# Altium PCB 0020-03_FFT2G.PcbDoc (part 5 of 16)
Units mm, origin at the board's own origin, x right, y up, seen from the top; angles counter-clockwise.
Board outline 195 x 104.5 mm, 12 copper layers (Top Layer, GND1, LVDS1, PWR1, LVDS2, PWR2, LVDS3, PWR3, SIG1, SIG2, GND2, Bottom Layer), stack 1.422 mm thick; 721 components, 650 nets, 4014 pads, 3497 vias.
Unrouted connection lines stored in the file: 78.
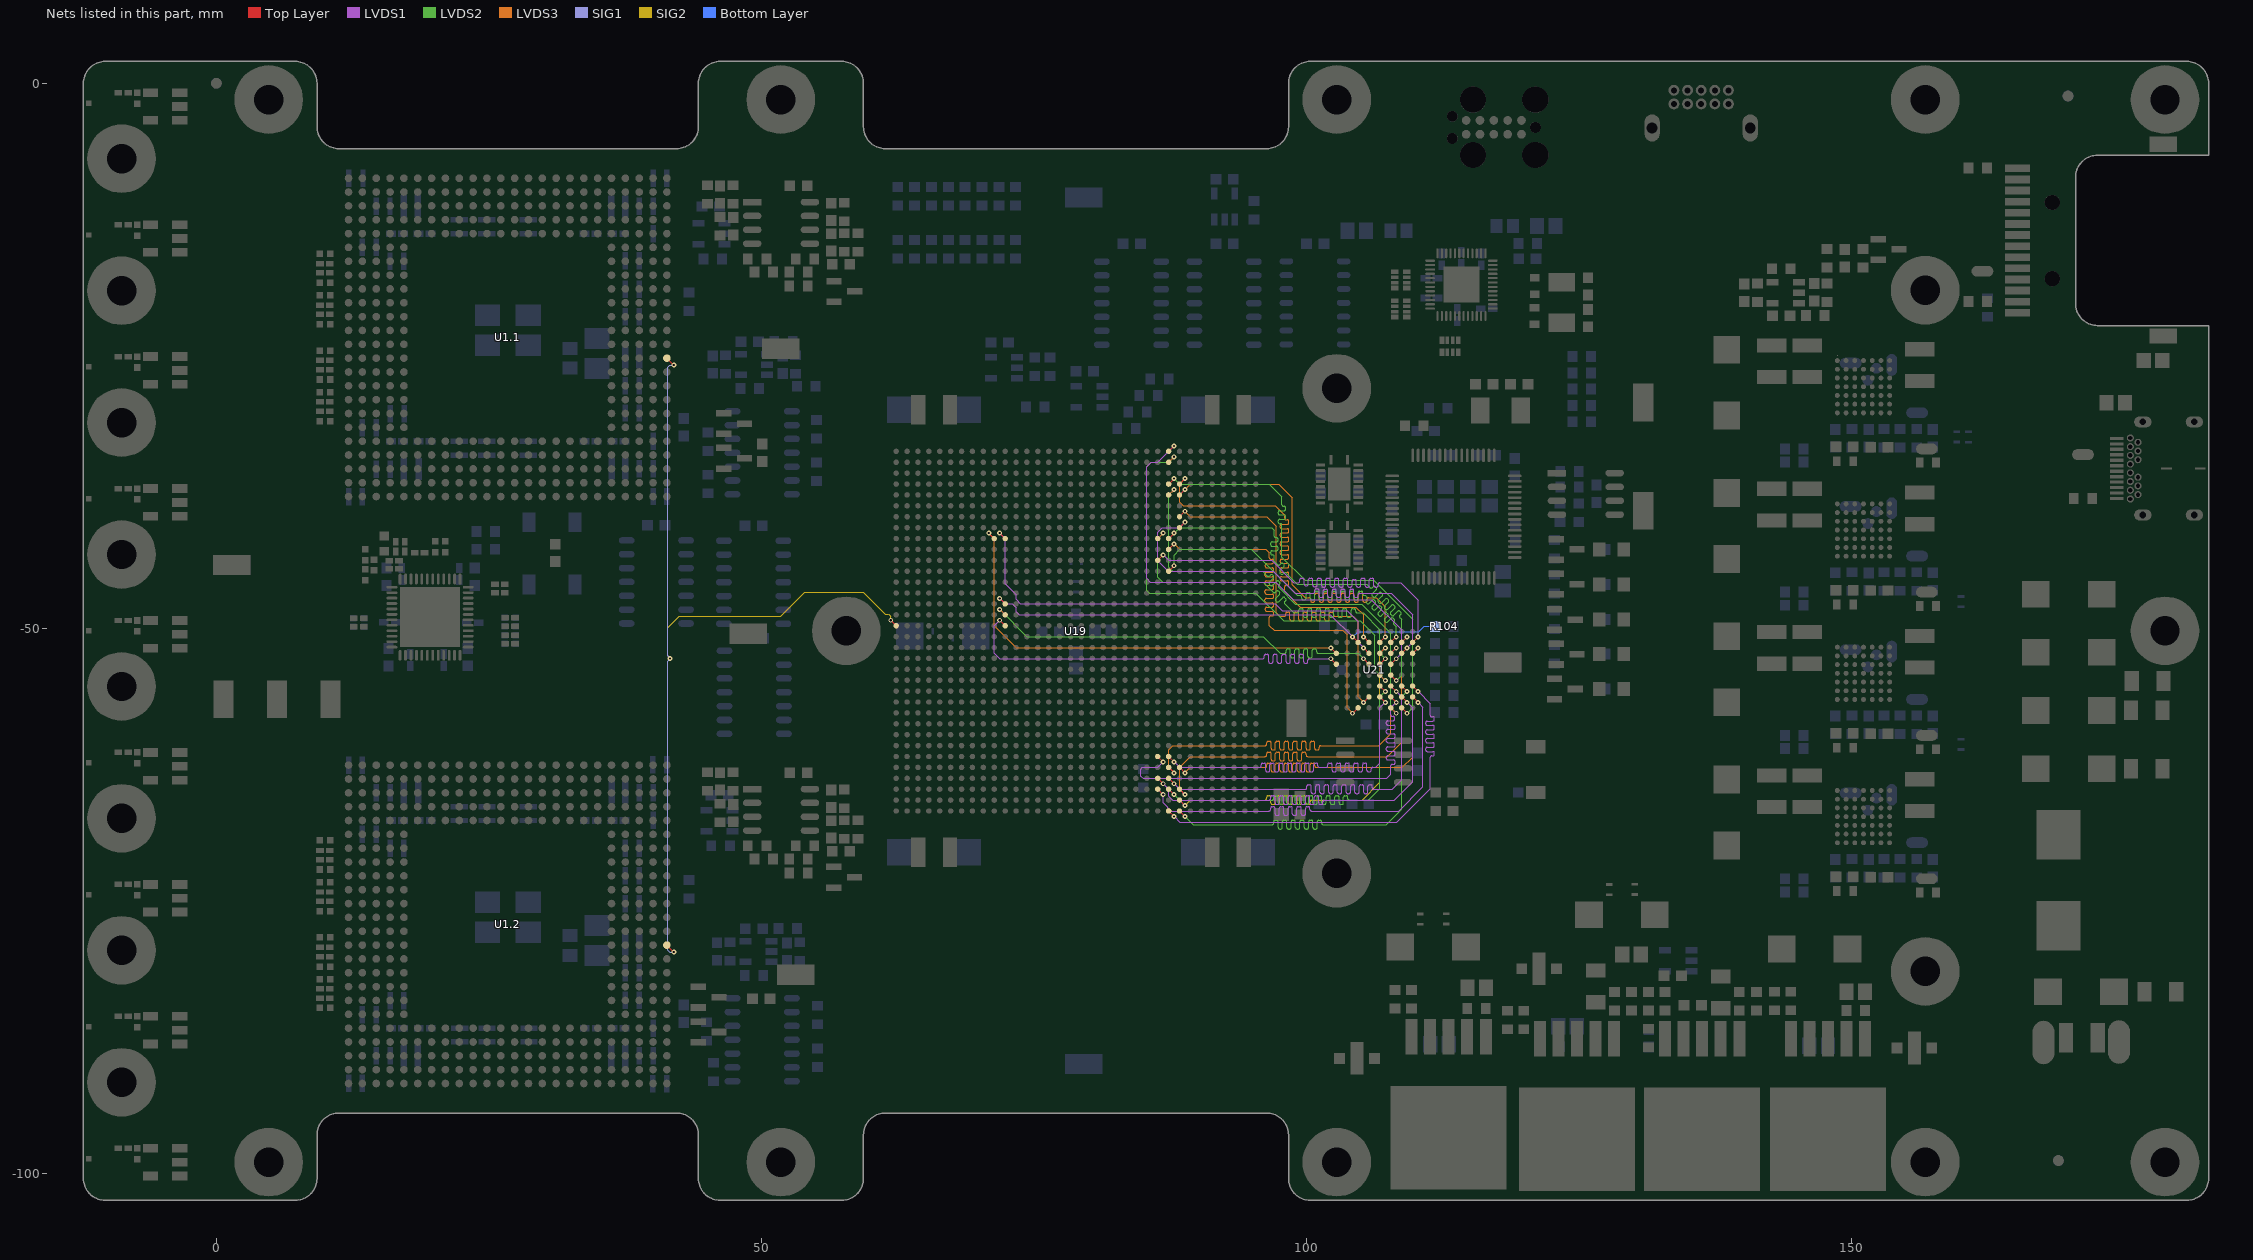
[diagram p15: the nets of this part, all layers, seen from the top]

## Via types
v1: diameter 0.45, hole 0.2, Top Layer to Bottom Layer, tented both sides, 3249 vias
v2: diameter 1, hole 0.5, Top Layer to Bottom Layer, tented both sides, 192 vias
v3: diameter 0.5, hole 0.2, Top Layer to Bottom Layer, tented both sides, 34 vias
v4: diameter 0.6, hole 0.3, Top Layer to Bottom Layer, tented both sides, 12 vias
v5: diameter 0.6, hole 0.2, Top Layer to Bottom Layer, tented both sides, 6 vias
v6: diameter 0.45/0.45/0.45/0.45/0.45/0.45/0.45 (per signal layer), hole 0.2, Top Layer to Bottom Layer, tented both sides, 4 vias

## Nets (pads, with @x,y where several pads share a name; then routed paths per layer and width w, separated by ;. In a path a pad name is that pad's centre, name@x,y a point inside that pad or via, vN(x,y) a via of type N, cw(c..) or ccw(c..) an arc to the next point about the centre after c; other vN are vias at no path point) (continued)
ADC_SYNC_P: U1.1.AD11 U1.2.AD11 U19.V34 | length 83.2
  Top Layer w0.1: U1.2.AD11@41.338,-79.083 v1(41.973,-79.718) ; U1.1.AD11@41.338,-25.227 v1(41.973,-25.862) ; v1(61.875,-49.28) U19.V34@62.375,-49.78
  SIG1 w0.1: v1(41.613,-52.79) 41.613,-52.848 41.438,-53.023 41.438,-79.538 41.618,-79.718 v1(41.973,-79.718) ; v1@41.613,-52.731 41.438,-52.556 41.438,-26.041 41.618,-25.862 v1(41.973,-25.862)
  SIG2 w0.1: v1(41.613,-52.79) 41.613,-52.731 41.438,-52.556 41.438,-49.948 42.486,-48.9 51.77,-48.9 53.97,-46.7 59.35,-46.7 61.371,-48.721 61.634,-48.721 ; 61.677,-48.722 61.875,-48.92 v1(61.875,-49.28)
BPI_A0: U19.AL8 U21.E2 | length 41.2
  Top Layer w0.1: U19.AL8@88.375,-36.78 v1(88.875,-36.28) ; v1(105.26,-50.812) U21.E2@105.76,-51.312
  LVDS3 w0.1: v1(88.875,-36.28) 88.375,-36.78 88.375,-38.437 88.718,-38.78 97.151,-38.78 98.01,-39.639 98.01,-39.863 98.01,-39.923 ccw(c98.15,-39.923) 98.15,-40.063 98.27,-40.063 cw(c98.27,-40.203) 98.41,-40.203 98.41,-40.323 cw(c98.27,-40.323) 98.27,-40.463 98.01,-40.463 97.75,-40.463 ccw(c97.75,-40.603) 97.61,-40.603 97.61,-40.723 ccw(c97.75,-40.723) 97.75,-40.863 98.01,-40.863 98.27,-40.863 cw(c98.27,-41.003) 98.41,-41.003 98.41,-41.123 cw(c98.27,-41.123) 98.27,-41.263 98.01,-41.263 97.75,-41.263 ccw(c97.75,-41.403) 97.61,-41.403 97.61,-41.523 ccw(c97.75,-41.523) 97.75,-41.663 98.01,-41.663 98.27,-41.663 cw(c98.27,-41.803) 98.41,-41.803 98.41,-41.923 cw(c98.27,-41.923) 98.27,-42.063 98.01,-42.063 97.75,-42.063 ccw(c97.75,-42.203) 97.61,-42.203 97.61,-42.323 ccw(c97.75,-42.323) 97.75,-42.463 98.01,-42.463 98.27,-42.463 cw(c98.27,-42.603) 98.41,-42.603 98.41,-42.723 cw(c98.27,-42.723) 98.27,-42.863 98.01,-42.863 97.75,-42.863 ccw(c97.75,-43.003) 97.61,-43.003 97.61,-43.123 ccw(c97.75,-43.123) 97.75,-43.263 98.01,-43.263 98.27,-43.263 cw(c98.27,-43.403) 98.41,-43.403 98.41,-43.523 cw(c98.27,-43.523) 98.27,-43.663 98.01,-43.663 97.75,-43.663 ccw(c97.75,-43.803) 97.61,-43.803 97.61,-43.923 ccw(c97.75,-43.923) 97.75,-44.063 98.01,-44.063 98.27,-44.063 cw(c98.27,-44.203) 98.41,-44.203 98.41,-44.323 cw(c98.27,-44.323) 98.27,-44.463 98.01,-44.463 97.75,-44.463 ccw(c97.75,-44.603) 97.61,-44.603 97.61,-44.723 ccw(c97.75,-44.723) 97.75,-44.863 98.01,-44.863 98.27,-44.863 cw(c98.27,-45.003) 98.41,-45.003 98.41,-45.123 cw(c98.27,-45.123) 98.27,-45.263 98.01,-45.263 97.75,-45.263 ccw(c97.75,-45.403) 97.61,-45.403 97.61,-45.523 ccw(c97.75,-45.523) 97.75,-45.663 98.01,-45.663 98.27,-45.663 cw(c98.27,-45.803) 98.41,-45.803 98.41,-45.923 cw(c98.27,-45.923) 98.27,-46.063 98.15,-46.063 ccw(c98.15,-46.203) 98.01,-46.203 98.01,-46.366 98.01,-46.624 99.454,-48.068 104.564,-48.068 105.26,-48.764 v1(105.26,-50.812)
BPI_A1: U19.AK8 U21.D2 | length 40.8
  Top Layer w0.1: U19.AK8@88.375,-37.78 v1(88.875,-37.28) ; U21.D2@106.76,-51.312 v1(107.26,-50.812)
  LVDS3 w0.1: v1(88.875,-37.28) 89.375,-36.78 97.46,-36.78 98.722,-38.042 98.722,-46.025 99.901,-47.204 100.195,-47.204 100.255,-47.204 cw(c100.255,-47.344) 100.395,-47.344 100.395,-47.464 ccw(c100.535,-47.464) 100.535,-47.604 100.655,-47.604 ccw(c100.655,-47.464) 100.795,-47.464 100.795,-47.204 100.795,-46.944 cw(c100.935,-46.944) 100.935,-46.804 101.055,-46.804 cw(c101.055,-46.944) 101.195,-46.944 101.195,-47.204 101.195,-47.464 ccw(c101.335,-47.464) 101.335,-47.604 101.455,-47.604 ccw(c101.455,-47.464) 101.595,-47.464 101.595,-47.204 101.595,-46.944 cw(c101.735,-46.944) 101.735,-46.804 101.855,-46.804 cw(c101.855,-46.944) 101.995,-46.944 101.995,-47.204 101.995,-47.464 ccw(c102.135,-47.464) 102.135,-47.604 102.255,-47.604 ccw(c102.255,-47.464) 102.395,-47.464 102.395,-47.204 102.395,-46.944 cw(c102.535,-46.944) 102.535,-46.804 102.655,-46.804 cw(c102.655,-46.944) 102.795,-46.944 102.795,-47.204 102.795,-47.464 ccw(c102.935,-47.464) 102.935,-47.604 103.055,-47.604 ccw(c103.055,-47.464) 103.195,-47.464 103.195,-47.204 103.195,-46.944 cw(c103.335,-46.944) 103.335,-46.804 103.455,-46.804 cw(c103.455,-46.944) 103.595,-46.944 103.595,-47.204 103.595,-47.464 ccw(c103.735,-47.464) 103.735,-47.604 103.855,-47.604 ccw(c103.855,-47.464) 103.995,-47.464 103.995,-47.204 103.995,-46.944 cw(c104.135,-46.944) 104.135,-46.804 104.255,-46.804 cw(c104.255,-46.944) 104.395,-46.944 104.395,-47.204 104.395,-47.464 ccw(c104.535,-47.464) 104.535,-47.604 104.655,-47.604 ccw(c104.655,-47.464) 104.795,-47.464 104.795,-47.204 104.795,-46.944 cw(c104.935,-46.944) 104.935,-46.804 105.055,-46.804 cw(c105.055,-46.944) 105.195,-46.944 105.195,-47.204 105.195,-47.464 ccw(c105.335,-47.464) 105.335,-47.604 105.455,-47.604 ccw(c105.455,-47.464) 105.595,-47.464 105.595,-47.344 cw(c105.735,-47.344) 105.735,-47.204 105.884,-47.204 106.414,-47.204 107.26,-48.049 v1(107.26,-50.812)
BPI_A2: U19.AC9 U21.C2 | length 40.5
  Top Layer w0.1: U19.AC9@87.375,-44.78 v1(87.875,-44.28) ; U21.C2@107.76,-51.312 v1(108.26,-50.812)
  LVDS2 w0.1: v1(87.875,-44.28) 87.875,-43.314 88.41,-42.78 94.971,-42.78 99.192,-47.001 99.382,-47.001 99.442,-47.001 cw(c99.442,-47.141) 99.582,-47.141 99.582,-47.261 ccw(c99.722,-47.261) 99.722,-47.401 99.842,-47.401 ccw(c99.842,-47.261) 99.982,-47.261 99.982,-47.001 99.982,-46.888 cw(c100.122,-46.888) 100.122,-46.748 100.242,-46.748 cw(c100.242,-46.888) 100.382,-46.888 100.382,-47.001 100.382,-47.261 ccw(c100.522,-47.261) 100.522,-47.401 100.642,-47.401 ccw(c100.642,-47.261) 100.782,-47.261 100.782,-47.001 100.782,-46.741 cw(c100.922,-46.741) 100.922,-46.601 101.042,-46.601 cw(c101.042,-46.741) 101.182,-46.741 101.182,-47.001 101.182,-47.261 ccw(c101.322,-47.261) 101.322,-47.401 101.442,-47.401 ccw(c101.442,-47.261) 101.582,-47.261 101.582,-47.001 101.582,-46.741 cw(c101.722,-46.741) 101.722,-46.601 101.842,-46.601 cw(c101.842,-46.741) 101.982,-46.741 101.982,-47.001 101.982,-47.261 ccw(c102.122,-47.261) 102.122,-47.401 102.242,-47.401 ccw(c102.242,-47.261) 102.382,-47.261 102.382,-47.001 102.382,-46.741 cw(c102.522,-46.741) 102.522,-46.601 102.642,-46.601 cw(c102.642,-46.741) 102.782,-46.741 102.782,-47.001 102.782,-47.261 ccw(c102.922,-47.261) 102.922,-47.401 103.042,-47.401 ccw(c103.042,-47.261) 103.182,-47.261 103.182,-47.001 103.182,-46.741 cw(c103.322,-46.741) 103.322,-46.601 103.442,-46.601 cw(c103.442,-46.741) 103.582,-46.741 103.582,-47.001 103.582,-47.261 ccw(c103.722,-47.261) 103.722,-47.401 103.842,-47.401 ccw(c103.842,-47.261) 103.982,-47.261 103.982,-47.001 103.982,-46.741 cw(c104.122,-46.741) 104.122,-46.601 104.242,-46.601 cw(c104.242,-46.741) 104.382,-46.741 104.382,-47.001 104.382,-47.261 ccw(c104.522,-47.261) 104.522,-47.401 104.642,-47.401 ccw(c104.642,-47.261) 104.782,-47.261 104.782,-47.001 104.782,-46.741 cw(c104.922,-46.741) 104.922,-46.601 105.042,-46.601 cw(c105.042,-46.741) 105.182,-46.741 105.182,-46.861 ccw(c105.322,-46.861) 105.322,-47.001 105.409,-47.001 105.573,-47.165 cw(c105.474,-47.264) 105.573,-47.363 105.488,-47.448 ccw(c105.587,-47.547) 105.488,-47.646 105.573,-47.73 ccw(c105.672,-47.631) 105.771,-47.73 105.955,-47.547 106.063,-47.439 cw(c106.161,-47.538) 106.26,-47.439 106.345,-47.524 cw(c106.246,-47.623) 106.345,-47.722 106.238,-47.829 106.054,-48.013 ccw(c106.153,-48.112) 106.054,-48.211 106.139,-48.296 ccw(c106.238,-48.197) 106.337,-48.296 106.52,-48.112 106.628,-48.004 cw(c106.727,-48.103) 106.826,-48.004 106.911,-48.089 cw(c106.812,-48.188) 106.911,-48.287 106.803,-48.395 106.619,-48.579 ccw(c106.718,-48.678) 106.619,-48.777 106.704,-48.862 ccw(c106.803,-48.763) 106.902,-48.862 107.086,-48.678 107.194,-48.57 cw(c107.293,-48.669) 107.392,-48.57 107.477,-48.655 cw(c107.378,-48.754) 107.477,-48.853 107.369,-48.961 107.185,-49.145 ccw(c107.284,-49.244) 107.185,-49.343 107.27,-49.427 ccw(c107.369,-49.328) 107.468,-49.427 107.652,-49.244 107.788,-49.107 cw(c107.887,-49.206) 107.986,-49.107 108.071,-49.192 cw(c107.972,-49.291) 108.071,-49.39 108.034,-49.427 ccw(c108.133,-49.526) 108.034,-49.625 108.076,-49.668 108.26,-49.851 v1(108.26,-50.812)
BPI_A3: U19.AD10 U21.A2 | length 41.4
  Top Layer w0.1: U19.AD10@86.375,-43.78 v1(86.875,-43.28) ; U21.A2@109.76,-51.312 v1(110.26,-50.812)
  LVDS1 w0.1: v1(86.875,-43.28) 87.375,-43.78 96.821,-43.78 98.874,-45.832 99.204,-45.832 99.264,-45.832 ccw(c99.264,-45.692) 99.404,-45.692 99.404,-45.572 cw(c99.544,-45.572) 99.544,-45.432 99.664,-45.432 cw(c99.664,-45.572) 99.804,-45.572 99.804,-45.832 99.804,-45.96 ccw(c99.944,-45.96) 99.944,-46.1 100.064,-46.1 ccw(c100.064,-45.96) 100.204,-45.96 100.204,-45.832 100.204,-45.572 cw(c100.344,-45.572) 100.344,-45.432 100.464,-45.432 cw(c100.464,-45.572) 100.604,-45.572 100.604,-45.832 100.604,-46.049 ccw(c100.744,-46.049) 100.744,-46.189 100.864,-46.189 ccw(c100.864,-46.049) 101.004,-46.049 101.004,-45.832 101.004,-45.572 cw(c101.144,-45.572) 101.144,-45.432 101.264,-45.432 cw(c101.264,-45.572) 101.404,-45.572 101.404,-45.832 101.404,-46.092 ccw(c101.544,-46.092) 101.544,-46.232 101.664,-46.232 ccw(c101.664,-46.092) 101.804,-46.092 101.804,-45.832 101.804,-45.572 cw(c101.944,-45.572) 101.944,-45.432 102.064,-45.432 cw(c102.064,-45.572) 102.204,-45.572 102.204,-45.832 102.204,-46.092 ccw(c102.344,-46.092) 102.344,-46.232 102.464,-46.232 ccw(c102.464,-46.092) 102.604,-46.092 102.604,-45.832 102.604,-45.572 cw(c102.744,-45.572) 102.744,-45.432 102.864,-45.432 cw(c102.864,-45.572) 103.004,-45.572 103.004,-45.832 103.004,-46.092 ccw(c103.144,-46.092) 103.144,-46.232 103.264,-46.232 ccw(c103.264,-46.092) 103.404,-46.092 103.404,-45.832 103.404,-45.572 cw(c103.544,-45.572) 103.544,-45.432 103.664,-45.432 cw(c103.664,-45.572) 103.804,-45.572 103.804,-45.832 103.804,-46.092 ccw(c103.944,-46.092) 103.944,-46.232 104.064,-46.232 ccw(c104.064,-46.092) 104.204,-46.092 104.204,-45.832 104.204,-45.687 cw(c104.344,-45.687) 104.344,-45.547 104.464,-45.547 cw(c104.464,-45.687) 104.604,-45.687 104.604,-45.832 104.604,-46.092 ccw(c104.744,-46.092) 104.744,-46.232 104.864,-46.232 ccw(c104.864,-46.092) 105.004,-46.092 105.004,-45.832 105.004,-45.572 cw(c105.144,-45.572) 105.144,-45.432 105.264,-45.432 cw(c105.264,-45.572) 105.404,-45.572 105.404,-45.832 105.404,-46.092 ccw(c105.544,-46.092) 105.544,-46.232 105.664,-46.232 ccw(c105.664,-46.092) 105.804,-46.092 105.804,-45.832 105.804,-45.572 cw(c105.944,-45.572) 105.944,-45.432 106.064,-45.432 cw(c106.064,-45.572) 106.204,-45.572 106.204,-45.832 106.204,-46.092 ccw(c106.344,-46.092) 106.344,-46.232 106.464,-46.232 ccw(c106.464,-46.092) 106.604,-46.092 106.604,-45.972 cw(c106.744,-45.972) 106.744,-45.832 106.799,-45.832 108.653,-45.832 110.26,-47.439 v1(110.26,-50.812)
BPI_A4: U19.C8 U21.B2 | length 41.3
  Top Layer w0.1: U19.C8@88.375,-64.78 v1(88.875,-65.28) ; U21.B2@108.76,-51.312 v1(109.26,-50.812)
  LVDS3 w0.1: v1(88.875,-65.28) 88.375,-64.78 88.375,-62.78 89.375,-61.78 96.182,-61.78 96.242,-61.78 ccw(c96.242,-61.64) 96.382,-61.64 96.382,-61.52 cw(c96.522,-61.52) 96.522,-61.38 96.642,-61.38 cw(c96.642,-61.52) 96.782,-61.52 96.782,-61.78 96.782,-62.04 ccw(c96.922,-62.04) 96.922,-62.18 97.042,-62.18 ccw(c97.042,-62.04) 97.182,-62.04 97.182,-61.78 97.182,-61.52 cw(c97.322,-61.52) 97.322,-61.38 97.442,-61.38 cw(c97.442,-61.52) 97.582,-61.52 97.582,-61.78 97.582,-62.04 ccw(c97.722,-62.04) 97.722,-62.18 97.842,-62.18 ccw(c97.842,-62.04) 97.982,-62.04 97.982,-61.78 97.982,-61.52 cw(c98.122,-61.52) 98.122,-61.38 98.242,-61.38 cw(c98.242,-61.52) 98.382,-61.52 98.382,-61.78 98.382,-62.04 ccw(c98.522,-62.04) 98.522,-62.18 98.642,-62.18 ccw(c98.642,-62.04) 98.782,-62.04 98.782,-61.78 98.782,-61.52 cw(c98.922,-61.52) 98.922,-61.38 99.042,-61.38 cw(c99.042,-61.52) 99.182,-61.52 99.182,-61.78 99.182,-62.04 ccw(c99.322,-62.04) 99.322,-62.18 99.442,-62.18 ccw(c99.442,-62.04) 99.582,-62.04 99.582,-61.78 99.582,-61.52 cw(c99.722,-61.52) 99.722,-61.38 99.842,-61.38 cw(c99.842,-61.52) 99.982,-61.52 99.982,-61.64 ccw(c100.122,-61.64) 100.122,-61.78 100.144,-61.78 107.459,-61.78 108.76,-60.479 108.76,-51.312 v1(109.26,-50.812)
BPI_A5: U19.B8 U21.D3 | length 39.4
  Top Layer w0.1: U19.B8@88.375,-65.78 v1(88.875,-66.28) ; U21.D3@106.76,-52.312 v1(107.26,-51.812)
  SIG2 w0.1: v1(88.875,-66.28) 89.375,-65.78 96.156,-65.78 96.216,-65.78 ccw(c96.216,-65.64) 96.356,-65.64 96.356,-65.52 cw(c96.496,-65.52) 96.496,-65.38 96.616,-65.38 cw(c96.616,-65.52) 96.756,-65.52 96.756,-65.78 96.756,-66.04 ccw(c96.896,-66.04) 96.896,-66.18 97.016,-66.18 ccw(c97.016,-66.04) 97.156,-66.04 97.156,-65.78 97.156,-65.52 cw(c97.296,-65.52) 97.296,-65.38 97.416,-65.38 cw(c97.416,-65.52) 97.556,-65.52 97.556,-65.78 97.556,-66.04 ccw(c97.696,-66.04) 97.696,-66.18 97.816,-66.18 ccw(c97.816,-66.04) 97.956,-66.04 97.956,-65.78 97.956,-65.52 cw(c98.096,-65.52) 98.096,-65.38 98.216,-65.38 cw(c98.216,-65.52) 98.356,-65.52 98.356,-65.78 98.356,-66.04 ccw(c98.496,-66.04) 98.496,-66.18 98.616,-66.18 ccw(c98.616,-66.04) 98.756,-66.04 98.756,-65.78 98.756,-65.52 cw(c98.896,-65.52) 98.896,-65.38 99.016,-65.38 cw(c99.016,-65.52) 99.156,-65.52 99.156,-65.78 99.156,-66.04 ccw(c99.296,-66.04) 99.296,-66.18 99.416,-66.18 ccw(c99.416,-66.04) 99.556,-66.04 99.556,-65.78 99.556,-65.52 cw(c99.696,-65.52) 99.696,-65.38 99.816,-65.38 cw(c99.816,-65.52) 99.956,-65.52 99.956,-65.78 99.956,-66.04 ccw(c100.096,-66.04) 100.096,-66.18 100.216,-66.18 ccw(c100.216,-66.04) 100.356,-66.04 100.356,-65.92 cw(c100.496,-65.92) 100.496,-65.78 100.728,-65.78 105.14,-65.78 106.76,-64.16 106.76,-52.312 v1(107.26,-51.812)
BPI_A6: U19.E9 U21.C3 | length 40.8
  Top Layer w0.1: U19.E9@87.375,-62.78 v1(87.875,-63.28) ; U21.C3@107.76,-52.312 v1(108.26,-51.812)
  LVDS3 w0.1: v1(87.875,-63.28) 87.375,-62.78 87.375,-61.158 87.754,-60.78 96.182,-60.78 96.242,-60.78 ccw(c96.242,-60.64) 96.382,-60.64 96.382,-60.52 cw(c96.522,-60.52) 96.522,-60.38 96.642,-60.38 cw(c96.642,-60.52) 96.782,-60.52 96.782,-60.78 96.782,-61.04 ccw(c96.922,-61.04) 96.922,-61.18 97.042,-61.18 ccw(c97.042,-61.04) 97.182,-61.04 97.182,-60.78 97.182,-60.52 cw(c97.322,-60.52) 97.322,-60.38 97.442,-60.38 cw(c97.442,-60.52) 97.582,-60.52 97.582,-60.78 97.582,-61.04 ccw(c97.722,-61.04) 97.722,-61.18 97.842,-61.18 ccw(c97.842,-61.04) 97.982,-61.04 97.982,-60.78 97.982,-60.52 cw(c98.122,-60.52) 98.122,-60.38 98.242,-60.38 cw(c98.242,-60.52) 98.382,-60.52 98.382,-60.78 98.382,-61.04 ccw(c98.522,-61.04) 98.522,-61.18 98.642,-61.18 ccw(c98.642,-61.04) 98.782,-61.04 98.782,-60.78 98.782,-60.52 cw(c98.922,-60.52) 98.922,-60.38 99.042,-60.38 cw(c99.042,-60.52) 99.182,-60.52 99.182,-60.78 99.182,-61.04 ccw(c99.322,-61.04) 99.322,-61.18 99.442,-61.18 ccw(c99.442,-61.04) 99.582,-61.04 99.582,-60.78 99.582,-60.52 cw(c99.722,-60.52) 99.722,-60.38 99.842,-60.38 cw(c99.842,-60.52) 99.982,-60.52 99.982,-60.78 99.982,-61.04 ccw(c100.122,-61.04) 100.122,-61.18 100.242,-61.18 ccw(c100.242,-61.04) 100.382,-61.04 100.382,-60.78 100.382,-60.52 cw(c100.522,-60.52) 100.522,-60.38 100.642,-60.38 cw(c100.642,-60.52) 100.782,-60.52 100.782,-60.78 100.782,-61.04 ccw(c100.922,-61.04) 100.922,-61.18 101.042,-61.18 ccw(c101.042,-61.04) 101.182,-61.04 101.182,-60.92 cw(c101.322,-60.92) 101.322,-60.78 101.414,-60.78 106.65,-60.78 107.76,-59.67 107.76,-52.312 v1(108.26,-51.812)
BPI_A7: U19.E8 U21.A3 | length 40.5
  Top Layer w0.1: U19.E8@88.375,-62.78 v1(88.875,-63.28) ; U21.A3@109.76,-52.312 v1(110.26,-51.812)
  LVDS3 w0.1: v1(88.875,-63.28) 89.375,-62.78 96.182,-62.78 96.242,-62.78 ccw(c96.242,-62.64) 96.382,-62.64 96.382,-62.52 cw(c96.522,-62.52) 96.522,-62.38 96.642,-62.38 cw(c96.642,-62.52) 96.782,-62.52 96.782,-62.78 96.782,-63.04 ccw(c96.922,-63.04) 96.922,-63.18 97.042,-63.18 ccw(c97.042,-63.04) 97.182,-63.04 97.182,-62.78 97.182,-62.52 cw(c97.322,-62.52) 97.322,-62.38 97.442,-62.38 cw(c97.442,-62.52) 97.582,-62.52 97.582,-62.78 97.582,-63.04 ccw(c97.722,-63.04) 97.722,-63.18 97.842,-63.18 ccw(c97.842,-63.04) 97.982,-63.04 97.982,-62.78 97.982,-62.52 cw(c98.122,-62.52) 98.122,-62.38 98.242,-62.38 cw(c98.242,-62.52) 98.382,-62.52 98.382,-62.78 98.382,-63.04 ccw(c98.522,-63.04) 98.522,-63.18 98.642,-63.18 ccw(c98.642,-63.04) 98.782,-63.04 98.782,-62.78 98.782,-62.52 cw(c98.922,-62.52) 98.922,-62.38 99.042,-62.38 cw(c99.042,-62.52) 99.182,-62.52 99.182,-62.78 99.182,-63.04 ccw(c99.322,-63.04) 99.322,-63.18 99.442,-63.18 ccw(c99.442,-63.04) 99.582,-63.04 99.582,-62.78 99.582,-62.52 cw(c99.722,-62.52) 99.722,-62.38 99.842,-62.38 cw(c99.842,-62.52) 99.982,-62.52 99.982,-62.78 99.982,-63.04 ccw(c100.122,-63.04) 100.122,-63.18 100.242,-63.18 ccw(c100.242,-63.04) 100.382,-63.04 100.382,-62.78 100.382,-62.52 cw(c100.522,-62.52) 100.522,-62.38 100.642,-62.38 cw(c100.642,-62.52) 100.782,-62.52 100.782,-62.64 ccw(c100.922,-62.64) 100.922,-62.78 100.931,-62.78 108.825,-62.78 109.76,-61.845 109.76,-52.312 v1(110.26,-51.812)
BPI_A8: U19.A8 U21.B6 | length 40.6
  Top Layer w0.1: U19.A8@88.375,-66.78 v1(88.875,-67.28) ; U21.B6@108.76,-55.312 v1(109.26,-55.812)
  LVDS2 w0.1: v1(88.875,-67.28) 89.628,-68.032 96.817,-68.032 96.877,-68.032 ccw(c96.877,-67.892) 97.017,-67.892 97.017,-67.772 cw(c97.157,-67.772) 97.157,-67.632 97.277,-67.632 cw(c97.277,-67.772) 97.417,-67.772 97.417,-68.032 97.417,-68.292 ccw(c97.557,-68.292) 97.557,-68.432 97.677,-68.432 ccw(c97.677,-68.292) 97.817,-68.292 97.817,-68.032 97.817,-67.772 cw(c97.957,-67.772) 97.957,-67.632 98.077,-67.632 cw(c98.077,-67.772) 98.217,-67.772 98.217,-68.032 98.217,-68.292 ccw(c98.357,-68.292) 98.357,-68.432 98.477,-68.432 ccw(c98.477,-68.292) 98.617,-68.292 98.617,-68.032 98.617,-67.772 cw(c98.757,-67.772) 98.757,-67.632 98.877,-67.632 cw(c98.877,-67.772) 99.017,-67.772 99.017,-68.032 99.017,-68.292 ccw(c99.157,-68.292) 99.157,-68.432 99.277,-68.432 ccw(c99.277,-68.292) 99.417,-68.292 99.417,-68.032 99.417,-67.772 cw(c99.557,-67.772) 99.557,-67.632 99.677,-67.632 cw(c99.677,-67.772) 99.817,-67.772 99.817,-68.032 99.817,-68.292 ccw(c99.957,-68.292) 99.957,-68.432 100.077,-68.432 ccw(c100.077,-68.292) 100.217,-68.292 100.217,-68.032 100.217,-67.772 cw(c100.357,-67.772) 100.357,-67.632 100.477,-67.632 cw(c100.477,-67.772) 100.617,-67.772 100.617,-68.032 100.617,-68.292 ccw(c100.757,-68.292) 100.757,-68.432 100.877,-68.432 ccw(c100.877,-68.292) 101.017,-68.292 101.017,-68.032 101.017,-67.772 cw(c101.157,-67.772) 101.157,-67.632 101.277,-67.632 cw(c101.277,-67.772) 101.417,-67.772 101.417,-67.892 ccw(c101.557,-67.892) 101.557,-68.032 101.643,-68.032 107.358,-68.032 108.76,-66.63 108.76,-56.312 v1(109.26,-55.812)
BPI_A9: U19.A9 U21.A6 | length 41.8
  Top Layer w0.1: U19.A9@87.375,-66.78 v1(87.875,-67.28) ; U21.A6@109.76,-55.312 v1(110.26,-55.812)
  LVDS1 w0.1: v1(87.875,-67.28) 88.399,-67.803 108.308,-67.803 111.371,-64.74 111.371,-62.038 111.371,-61.863 cw(c111.511,-61.863) 111.511,-61.723 111.631,-61.723 ccw(c111.631,-61.583) 111.771,-61.583 111.771,-61.463 ccw(c111.631,-61.463) 111.631,-61.323 111.371,-61.323 111.111,-61.323 cw(c111.111,-61.183) 110.971,-61.183 110.971,-61.063 cw(c111.111,-61.063) 111.111,-60.923 111.371,-60.923 111.631,-60.923 ccw(c111.631,-60.783) 111.771,-60.783 111.771,-60.663 ccw(c111.631,-60.663) 111.631,-60.523 111.371,-60.523 111.111,-60.523 cw(c111.111,-60.383) 110.971,-60.383 110.971,-60.263 cw(c111.111,-60.263) 111.111,-60.123 111.371,-60.123 111.631,-60.123 ccw(c111.631,-59.983) 111.771,-59.983 111.771,-59.863 ccw(c111.631,-59.863) 111.631,-59.723 111.371,-59.723 111.111,-59.723 cw(c111.111,-59.583) 110.971,-59.583 110.971,-59.463 cw(c111.111,-59.463) 111.111,-59.323 111.371,-59.323 111.631,-59.323 ccw(c111.631,-59.183) 111.771,-59.183 111.771,-59.063 ccw(c111.631,-59.063) 111.631,-58.923 111.371,-58.923 111.111,-58.923 cw(c111.111,-58.783) 110.971,-58.783 110.971,-58.663 cw(c111.111,-58.663) 111.111,-58.523 111.371,-58.523 111.631,-58.523 ccw(c111.631,-58.383) 111.771,-58.383 111.771,-58.263 ccw(c111.631,-58.263) 111.631,-58.123 111.511,-58.123 cw(c111.511,-57.983) 111.371,-57.983 111.371,-57.923 111.371,-56.923 v1(110.26,-55.812)
BPI_A10: U19.D9 U21.C6 | length 41.3
  Top Layer w0.1: U19.D9@87.375,-63.78 v1(87.875,-64.28) ; U21.C6@107.76,-55.312 v1(108.26,-55.812)
  LVDS1 w0.1: v1(87.875,-64.28) 88.375,-64.78 99.865,-64.78 99.925,-64.78 ccw(c99.925,-64.64) 100.065,-64.64 100.065,-64.52 cw(c100.205,-64.52) 100.205,-64.38 100.325,-64.38 cw(c100.325,-64.52) 100.465,-64.52 100.465,-64.78 100.465,-65.04 ccw(c100.605,-65.04) 100.605,-65.18 100.725,-65.18 ccw(c100.725,-65.04) 100.865,-65.04 100.865,-64.78 100.865,-64.52 cw(c101.005,-64.52) 101.005,-64.38 101.125,-64.38 cw(c101.125,-64.52) 101.265,-64.52 101.265,-64.78 101.265,-65.04 ccw(c101.405,-65.04) 101.405,-65.18 101.525,-65.18 ccw(c101.525,-65.04) 101.665,-65.04 101.665,-64.78 101.665,-64.52 cw(c101.805,-64.52) 101.805,-64.38 101.925,-64.38 cw(c101.925,-64.52) 102.065,-64.52 102.065,-64.78 102.065,-65.04 ccw(c102.205,-65.04) 102.205,-65.18 102.325,-65.18 ccw(c102.325,-65.04) 102.465,-65.04 102.465,-64.78 102.465,-64.52 cw(c102.605,-64.52) 102.605,-64.38 102.725,-64.38 cw(c102.725,-64.52) 102.865,-64.52 102.865,-64.78 102.865,-65.04 ccw(c103.005,-65.04) 103.005,-65.18 103.125,-65.18 ccw(c103.125,-65.04) 103.265,-65.04 103.265,-64.78 103.265,-64.52 cw(c103.405,-64.52) 103.405,-64.38 103.525,-64.38 cw(c103.525,-64.52) 103.665,-64.52 103.665,-64.78 103.665,-65.04 ccw(c103.805,-65.04) 103.805,-65.18 103.925,-65.18 ccw(c103.925,-65.04) 104.065,-65.04 104.065,-64.78 104.065,-64.52 cw(c104.205,-64.52) 104.205,-64.38 104.325,-64.38 cw(c104.325,-64.52) 104.465,-64.52 104.465,-64.78 104.465,-65.04 ccw(c104.605,-65.04) 104.605,-65.18 104.725,-65.18 ccw(c104.725,-65.04) 104.865,-65.04 104.865,-64.78 104.865,-64.52 cw(c105.005,-64.52) 105.005,-64.38 105.125,-64.38 cw(c105.125,-64.52) 105.265,-64.52 105.265,-64.78 105.265,-65.04 ccw(c105.405,-65.04) 105.405,-65.18 105.525,-65.18 ccw(c105.525,-65.04) 105.665,-65.04 105.665,-64.78 105.665,-64.52 cw(c105.805,-64.52) 105.805,-64.38 105.925,-64.38 cw(c105.925,-64.52) 106.065,-64.52 106.065,-64.64 ccw(c106.205,-64.64) 106.205,-64.78 106.418,-64.78 107.892,-64.78 108.76,-63.912 108.76,-56.312 v1(108.26,-55.812)